# Allegro board 8880F5-0823_1_redwan.brd (continued)
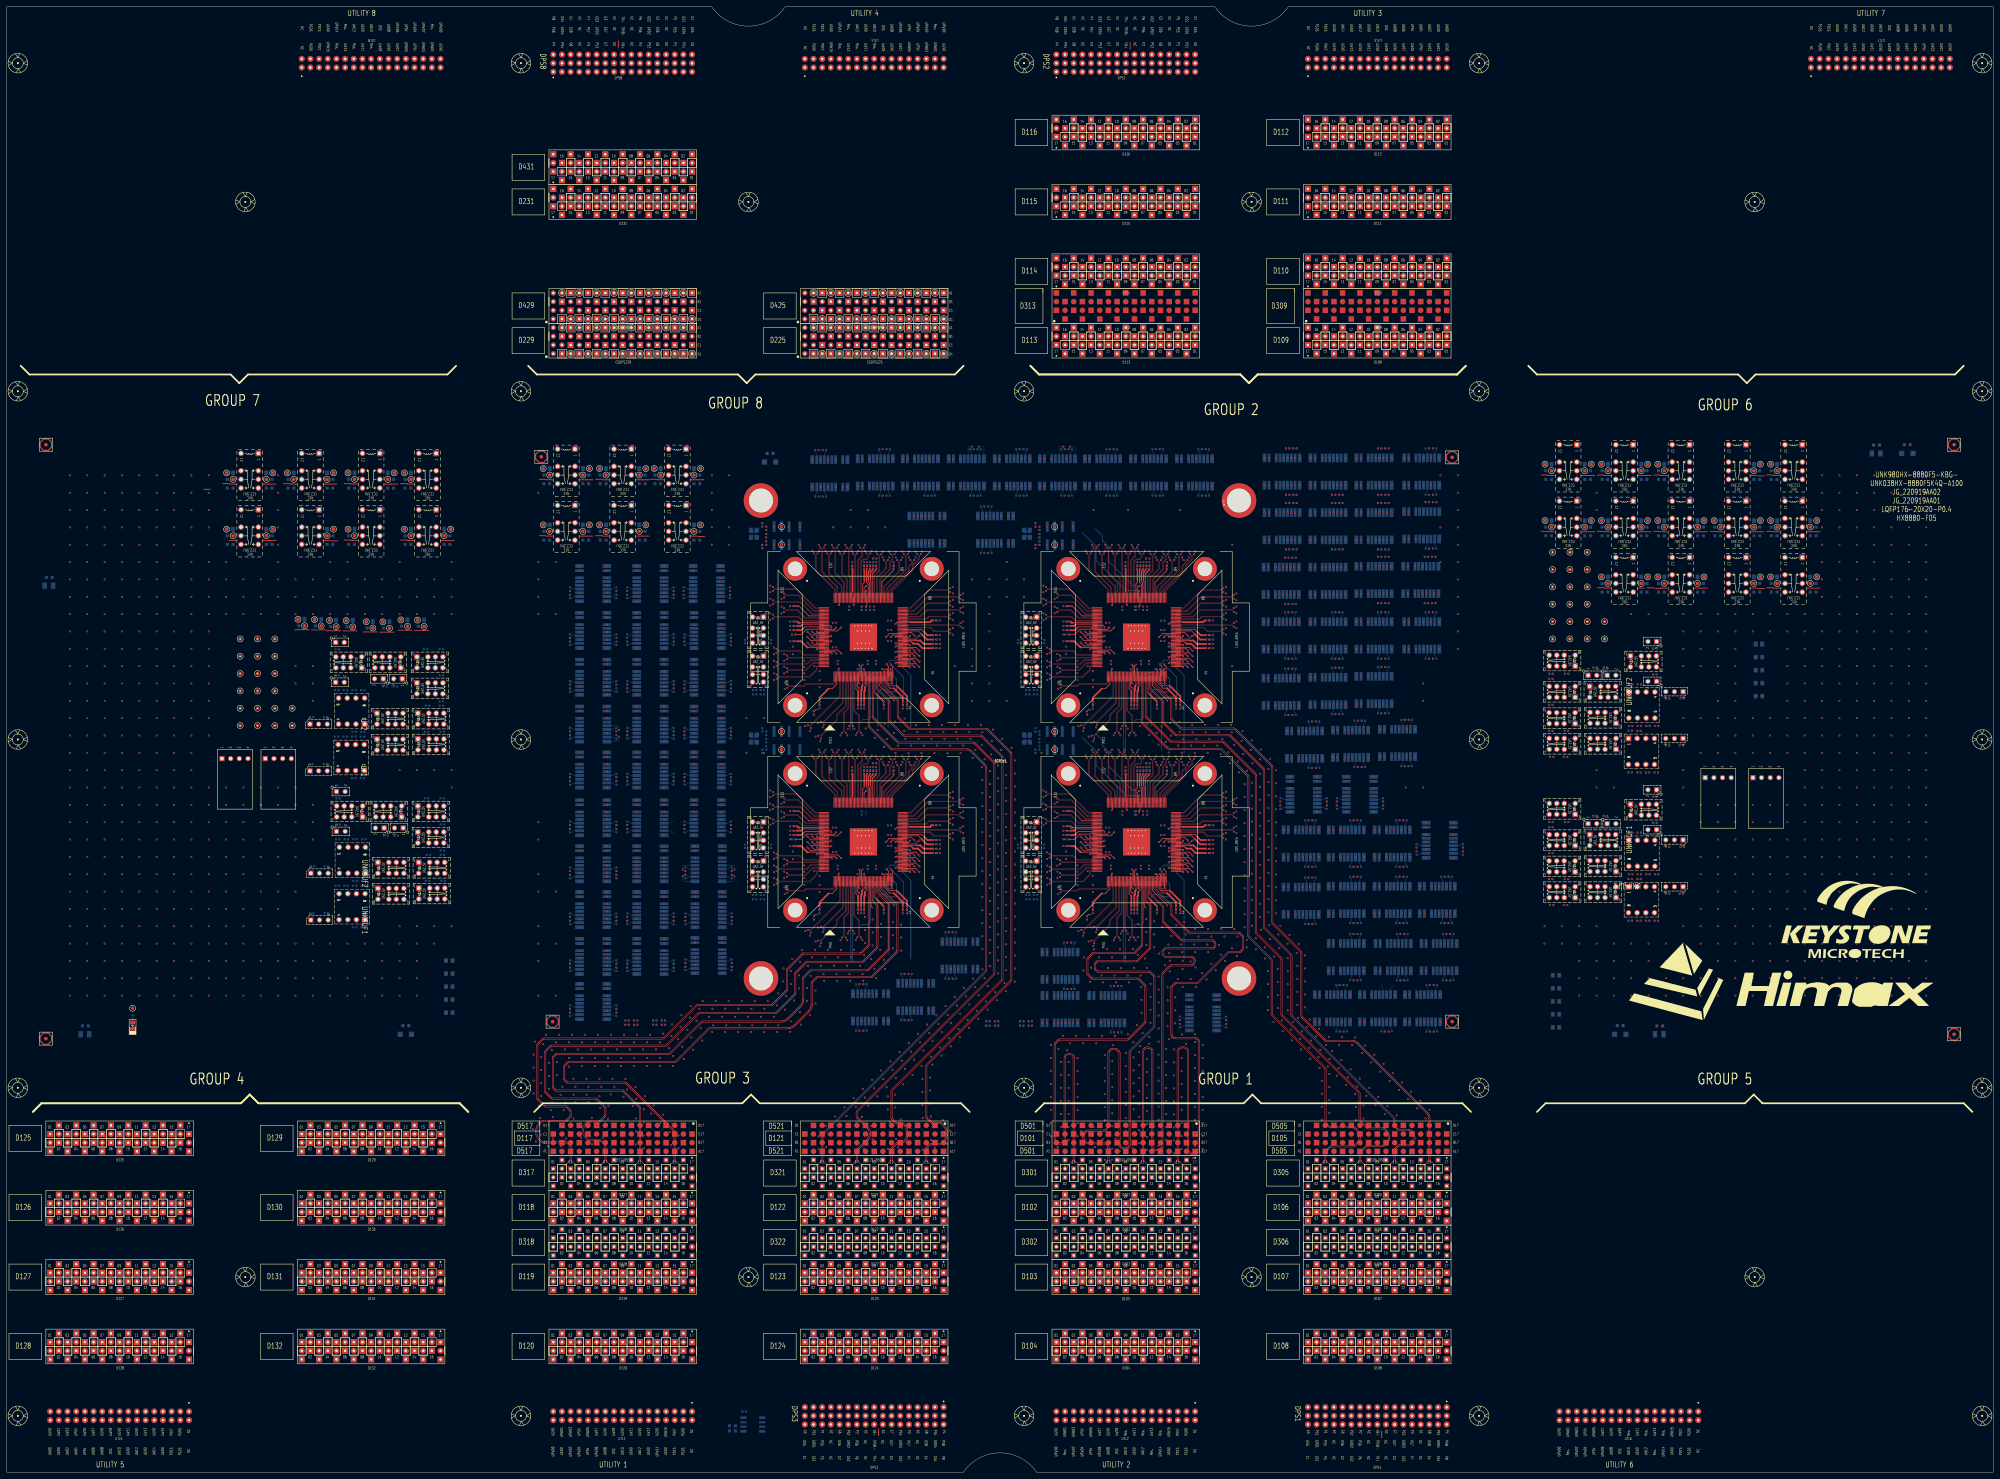
[diagram p0: board, top side]
## Placement (name value [footprint] x y rotation side) (continued)
NOREF#1338  -  []  263.2 232.26 90 top
NOREF#1339  -  []  259.33 205.55 0 top
NOREF#1340  -  []  272.55 183.91 0 top
NOREF#1341  -  []  310.43 253.37 0 top
NOREF#1342  -  []  222.11 252.14 0 top
NOREF#1343  -  []  263.2 172.26 90 top
NOREF#1344  -  []  167.7 231.27 90 top
NOREF#1345  -  []  395.2 233.11 0 top
NOREF#1346  -  []  479.44 239.09 0 top
NOREF#1347  -  []  394.66 242.38 90 top
NOREF#1348  -  []  419.47 273.37 90 top
NOREF#1349  -  []  377.23 241.16 90 top
NOREF#1350  -  []  259.97 264.35 90 top
NOREF#1351  -  []  217.41 213.24 90 top
NOREF#1352  -  []  310.73 186.66 0 top
NOREF#1353  -  []  118.7 222.88 0 top
NOREF#1354  -  []  168.69 276.04 90 top
NOREF#1355  -  []  483.04 239.09 0 top
NOREF#1356  -  []  223.56 233.86 90 top
NOREF#1357  -  []  387.39 297.12 0 top
NOREF#1358  -  []  399.39 161.74 0 top
NOREF#1359  -  []  392.24 193.43 0 top
NOREF#1360  -  []  462.06 293.82 90 top
NOREF#1361  -  []  182.57 199.39 0 top
NOREF#1362  -  []  352.24 244.86 90 top
NOREF#1363  -  []  107.18 246.83 90 top
NOREF#1364  -  []  331.62 205.56 90 top
NOREF#1365  -  []  165.8 171.96 90 top
NOREF#1366  -  []  285.02 288.91 90 top
NOREF#1367  -  []  459.24 175.86 0 top
NOREF#1368  -  []  241.6 296.61 0 top
NOREF#1369  -  []  389.7 209.36 0 top
NOREF#1370  -  []  351.34 182.64 0 top
NOREF#1371  -  []  201.23 186.57 90 top
NOREF#1372  -  []  220.36 237.06 0 top
NOREF#1373  -  []  353.35 288.41 90 top
NOREF#1374  -  []  107.02 166.42 90 top
NOREF#1375  -  []  481.96 276.41 90 top
NOREF#1376  -  []  315.7 296.86 0 top
NOREF#1377  -  []  412.37 257.37 0 top
NOREF#1378  -  []  387.39 265.11 0 top
NOREF#1379  -  []  192.57 215.25 90 top
NOREF#1380  -  []  352.25 245.5 0 top
NOREF#1381  -  []  119.7 238.84 0 top
NOREF#1382  -  []  277.17 288.86 0 top
NOREF#1383  -  []  230.73 189.2 0 top
NOREF#1384  -  []  403.99 180.15 0 top
NOREF#1385  -  []  199.59 158.5 90 top
NOREF#1386  -  []  404.4 273.16 90 top
NOREF#1387  -  []  260.83 174.63 90 top
NOREF#1388  -  []  342.68 224.74 90 top
NOREF#1389  -  []  329.6 223.52 90 top
NOREF#1390  -  []  404.15 225.11 0 top
NOREF#1391  -  []  369.38 241.11 0 top
NOREF#1392  -  []  343.98 288.86 0 top
NOREF#1393  -  []  449.99 217.9 0 top
NOREF#1394  -  []  209.33 201.79 90 top
NOREF#1395  -  []  399.99 181.42 90 top
NOREF#1396  -  []  368.28 281.11 0 top
NOREF#1397  -  []  237.66 164.72 0 top
NOREF#1398  -  []  259.45 288.86 90 top
NOREF#1399  -  []  209.23 205.19 90 top
NOREF#1400  -  []  453.88 230.2 0 top
NOREF#1401  -  []  315.16 290.13 90 top
NOREF#1402  -  []  423.71 181.22 90 top
NOREF#1403  -  []  398.65 257.37 0 top
NOREF#1404  -  []  165.8 185.42 0 top
NOREF#1405  -  []  395.2 297.12 0 top
NOREF#1406  -  []  175.7 230.17 90 top
NOREF#1407  -  []  511.59 291.28 90 top
NOREF#1408  -  []  398.65 281.11 0 top
NOREF#1409  -  []  372.72 161.49 0 top
NOREF#1410  -  []  251.05 264.65 90 top
NOREF#1411  -  []  192.57 147.18 90 top
NOREF#1412  -  []  419.22 257.37 90 top
NOREF#1413  -  []  369.63 273.11 0 top
NOREF#1414  -  []  100.73 238.84 0 top
NOREF#1415  -  []  199.84 148.65 90 top
NOREF#1416  -  []  93.02 247.21 90 top
NOREF#1417  -  []  395.07 129.99 0 top
NOREF#1418  -  []  251.38 163.52 90 top
NOREF#1419  -  []  339.33 205.56 0 top
NOREF#1420  -  []  118.7 222.88 0 top
NOREF#1421  -  []  254.29 204.35 90 top
NOREF#1422  -  []  343.31 224.74 0 top
NOREF#1423  -  []  304.61 131.64 0 top
NOREF#1424  -  []  247.25 265.55 0 top
NOREF#1425  -  []  167.7 178.86 90 top
NOREF#1426  -  []  342.63 296.86 0 top
NOREF#1427  -  []  284.77 288.86 0 top
NOREF#1428  -  []  217.83 234.63 90 top
NOREF#1429  -  []  167.7 138.47 90 top
NOREF#1430  -  []  305.83 264.31 0 top
NOREF#1431  -  []  410.52 241.11 0 top
NOREF#1432  -  []  253.4 205.56 0 top
NOREF#1433  -  []  352.24 189.18 90 top
NOREF#1434  -  []  167.7 186.57 90 top
NOREF#1435  -  []  397.57 131.89 0 top
NOREF#1436  -  []  318.3 223.52 90 top
NOREF#1437  -  []  310.43 253.37 90 top
NOREF#1438  -  []  208.98 264.1 90 top
NOREF#1439  -  []  385.19 273.11 0 top
NOREF#1440  -  []  271.34 189.5 0 top
NOREF#1441  -  []  167.7 214 90 top
NOREF#1442  -  []  192.47 162.1 90 top
NOREF#1443  -  []  237.66 164.74 0 top
NOREF#1444  -  []  326.23 173.13 0 top
NOREF#1445  -  []  459.28 227 0 top
NOREF#1446  -  []  396.55 273.11 0 top
NOREF#1447  -  []  219.81 213.69 90 top
NOREF#1448  -  []  322.23 233.13 90 top
NOREF#1449  -  []  175.8 228.97 90 top
NOREF#1450  -  []  460.89 174.46 90 top
NOREF#1451  -  []  330.17 223.82 90 top
NOREF#1452  -  []  470.71 183.57 90 top
NOREF#1453  -  []  201.66 227.17 90 top
NOREF#1454  -  []  301.34 286.96 0 top
NOREF#1455  -  []  201.91 159.1 90 top
NOREF#1456  -  []  352.55 249.5 0 top
NOREF#1457  -  []  310.43 194.01 0 top
NOREF#1458  -  []  240.94 211.63 90 top
NOREF#1459  -  []  468.01 214.96 0 top
NOREF#1460  -  []  262.36 163.82 90 top
NOREF#1461  -  []  303.56 173.86 90 top
NOREF#1462  -  []  295.19 271.65 90 top
NOREF#1463  -  []  369.38 224.6 0 top
NOREF#1464  -  []  112.67 171.02 0 top
NOREF#1465  -  []  392.47 240.66 90 top
NOREF#1466  -  []  352.24 249.18 90 top
NOREF#1467  -  []  555.66 300.54 90 top
NOREF#1468  -  []  327.89 264.35 90 top
NOREF#1469  -  []  310.43 186.34 0 top
NOREF#1470  -  []  300.01 288.31 90 top
NOREF#1471  -  []  386.33 207.21 90 top
NOREF#1472  -  []  483.04 195.66 0 top
NOREF#1473  -  []  177.33 160.4 90 top
NOREF#1474  -  []  369.38 257.11 0 top
NOREF#1475  -  []  167.7 145.93 0 top
NOREF#1476  -  []  390.69 273.11 0 top
NOREF#1477  -  []  414.82 281.37 0 top
NOREF#1478  -  []  254.29 265.55 0 top
NOREF#1479  -  []  302.11 142.44 0 top
NOREF#1480  -  []  284.79 272.65 90 top
NOREF#1481  -  []  297.71 216.09 0 top
NOREF#1482  -  []  192.47 191.22 90 top
NOREF#1483  -  []  271.04 184.23 0 top
NOREF#1484  -  []  175.7 264.1 90 top
NOREF#1485  -  []  392.47 224.4 90 top
NOREF#1486  -  []  328.42 129.74 90 top
NOREF#1487  -  []  331.86 192.43 90 top
NOREF#1488  -  []  343.83 231.63 90 top
NOREF#1489  -  []  262.68 223.52 90 top
NOREF#1490  -  []  175.7 216.45 90 top
NOREF#1491  -  []  379.01 272.66 90 top
NOREF#1492  -  []  415.6 146.88 0 top
NOREF#1493  -  []  166.06 189.04 90 top
NOREF#1494  -  []  237.98 223.82 90 top
NOREF#1495  -  []  384.59 162.84 90 top
NOREF#1496  -  []  235.85 288.61 90 top
NOREF#1497  -  []  194.09 160.4 90 top
NOREF#1498  -  []  378.33 257.11 90 top
NOREF#1499  -  []  250.73 264.35 90 top
NOREF#1500  -  []  182.82 175.58 90 top
NOREF#1501  -  []  235.85 296.61 0 top
NOREF#1502  -  []  330.51 288.86 0 top
NOREF#1503  -  []  192.47 250.38 90 top
NOREF#1504  -  []  330.73 204.35 90 top
NOREF#1505  -  []  167.7 206.29 90 top
NOREF#1506  -  []  453.88 239.34 0 top
NOREF#1507  -  []  239.33 176.03 90 top
NOREF#1508  -  []  317.66 164.72 0 top
NOREF#1509  -  []  272.25 244.23 0 top
NOREF#1510  -  []  217.71 276.09 0 top
NOREF#1511  -  []  351.34 245.18 0 top
NOREF#1512  -  []  117.33 247.35 90 top
NOREF#1513  -  []  283.21 270.2 90 top
NOREF#1514  -  []  272.55 243.91 0 top
NOREF#1515  -  []  250.18 242.88 0 top
NOREF#1516  -  []  200.98 260.9 90 top
NOREF#1517  -  []  343.63 225.04 90 top
NOREF#1518  -  []  101.82 273.87 90 top
NOREF#1519  -  []  404.4 225.16 90 top
NOREF#1520  -  []  118.96 174.04 90 top
NOREF#1521  -  []  383.09 241.11 0 top
NOREF#1522  -  []  388.43 163.64 0 top
NOREF#1523  -  []  450.03 234.74 0 top
NOREF#1524  -  []  302.71 145.61 90 top
NOREF#1525  -  []  296.96 180.71 0 top
NOREF#1526  -  []  175.7 236.67 90 top
NOREF#1527  -  []  297.41 213.24 0 top
NOREF#1528  -  []  182.82 162.12 90 top
NOREF#1529  -  []  448.94 273.87 90 top
NOREF#1530  -  []  471.59 130.36 90 top
NOREF#1531  -  []  352.25 189.82 0 top
NOREF#1532  -  []  467.51 186.77 0 top
NOREF#1533  -  []  318.3 163.52 90 top
NOREF#1534  -  []  254.61 205.86 90 top
NOREF#1535  -  []  471.21 211.76 0 top
NOREF#1536  -  []  410.27 257.37 0 top
NOREF#1537  -  []  422.7 163.64 0 top
NOREF#1538  -  []  201.23 187.92 90 top
NOREF#1539  -  []  199.59 243.9 90 top
NOREF#1540  -  []  184.47 176.66 90 top
NOREF#1541  -  []  252.51 264.35 90 top
NOREF#1542  -  []  177.33 214.75 90 top
NOREF#1543  -  []  381.2 226.12 90 top
NOREF#1544  -  []  339.65 205.86 90 top
NOREF#1545  -  []  410.52 273.37 0 top
NOREF#1546  -  []  331.62 265.56 0 top
NOREF#1547  -  []  247.57 204.65 90 top
NOREF#1548  -  []  229.05 211.67 0 top
NOREF#1549  -  []  301.56 179.06 0 top
NOREF#1550  -  []  106.76 215.26 0 top
NOREF#1551  -  []  339.65 204.65 90 top
NOREF#1552  -  []  459.28 192.71 90 top
NOREF#1553  -  []  337.9 246.35 90 top
NOREF#1554  -  []  371.73 289.12 0 top
NOREF#1555  -  []  209.59 174.36 90 top
NOREF#1556  -  []  495.08 277.31 90 top
NOREF#1557  -  []  306.85 211.67 0 top
NOREF#1558  -  []  392.47 256.56 90 top
NOREF#1559  -  []  223.15 271.32 90 top
NOREF#1560  -  []  331.54 252.73 90 top
NOREF#1561  -  []  394.46 129.99 90 top
NOREF#1562  -  []  122.15 195.15 0 top
NOREF#1563  -  []  209.23 218.65 90 top
NOREF#1564  -  []  406.94 131.34 90 top
NOREF#1565  -  []  401.87 194.18 90 top
NOREF#1566  -  []  333.4 265.56 90 top
NOREF#1567  -  []  215.96 248.49 0 top
NOREF#1568  -  []  327.25 265.56 90 top
NOREF#1569  -  []  182.57 144.78 0 top
NOREF#1570  -  []  384.59 179.6 90 top
NOREF#1571  -  []  279.27 296.86 0 top
NOREF#1572  -  []  106.76 217.73 90 top
NOREF#1573  -  []  295.96 237.06 0 top
NOREF#1574  -  []  263.71 288.86 0 top
NOREF#1575  -  []  242.23 173.13 0 top
NOREF#1576  -  []  408.63 274.64 90 top
NOREF#1577  -  []  418.63 131.94 90 top
NOREF#1578  -  []  209.49 162.1 90 top
NOREF#1579  -  []  327.25 265.56 0 top
NOREF#1580  -  []  383.09 289.12 0 top
NOREF#1581  -  []  309.21 248.88 0 top
NOREF#1582  -  []  320.83 194.63 0 top
NOREF#1583  -  []  108.01 214.71 0 top
NOREF#1584  -  []  351.34 242.64 0 top
NOREF#1585  -  []  385.19 265.11 0 top
NOREF#1586  -  []  459.24 219.3 90 top
NOREF#1587  -  []  216.96 192.14 0 top
NOREF#1588  -  []  518.38 273.87 90 top
NOREF#1589  -  []  230.43 186.34 90 top
NOREF#1590  -  []  331.05 205.86 90 top
NOREF#1591  -  []  501.87 273.87 90 top
NOREF#1592  -  []  301.56 182.89 0 top
NOREF#1593  -  []  409.49 163.64 0 top
NOREF#1594  -  []  354.27 138.37 90 top
NOREF#1595  -  []  238.3 223.52 90 top
NOREF#1596  -  []  272.55 185.18 0 top
NOREF#1597  -  []  247.57 264.65 90 top
NOREF#1598  -  []  221.56 239.06 0 top
NOREF#1599  -  []  201.23 219.75 90 top
NOREF#1600  -  []  450.03 182.17 0 top
NOREF#1601  -  []  463.11 186.77 0 top
NOREF#1602  -  []  412.88 139.89 0 top
NOREF#1603  -  []  392.21 131.94 90 top
NOREF#1604  -  []  332.51 204.35 90 top
NOREF#1605  -  []  330.74 224.74 0 top
NOREF#1606  -  []  369.38 224.6 0 top
NOREF#1607  -  []  456.04 179.06 0 top
NOREF#1608  -  []  251.38 164.74 90 top
NOREF#1609  -  []  230.41 246.34 90 top
NOREF#1610  -  []  306.71 144.34 0 top
NOREF#1611  -  []  418.12 241.11 0 top
NOREF#1612  -  []  259.33 265.55 0 top
NOREF#1613  -  []  242.23 233.13 90 top
NOREF#1614  -  []  127.99 214.79 0 top
NOREF#1615  -  []  417.7 146.88 0 top
NOREF#1616  -  []  470.79 128.27 0 top
NOREF#1617  -  []  329.28 223.82 90 top
NOREF#1618  -  []  249.13 140.14 0 top
NOREF#1619  -  []  385.19 241.11 0 top
NOREF#1620  -  []  257.9 246.35 90 top
NOREF#1621  -  []  201.21 273.5 90 top
NOREF#1622  -  []  314.71 142.44 90 top
NOREF#1623  -  []  167.7 187.92 90 top
NOREF#1624  -  []  120.24 171.1 0 top
NOREF#1625  -  []  122.44 171.1 0 top
NOREF#1626  -  []  387.08 188.15 0 top
NOREF#1627  -  []  482.64 192.46 90 top
NOREF#1628  -  []  375.22 163.39 0 top
NOREF#1629  -  []  327.57 264.65 90 top
NOREF#1630  -  []  381.74 265.11 0 top
NOREF#1631  -  []  273.5 148.65 90 top
NOREF#1632  -  []  396.55 241.11 0 top
NOREF#1633  -  []  328.96 164.72 0 top
NOREF#1634  -  []  260.99 135.19 90 top
NOREF#1635  -  []  371.48 257.11 0 top
NOREF#1636  -  []  330.74 164.74 0 top
NOREF#1637  -  []  293.31 272.1 0 top
NOREF#1638  -  []  413.2 164.91 90 top
NOREF#1639  -  []  330.73 265.56 90 top
NOREF#1640  -  []  334.29 204.35 90 top
NOREF#1641  -  []  385.36 194.18 90 top
NOREF#1642  -  []  328.62 290.13 90 top
NOREF#1643  -  []  271.04 185.5 0 top
NOREF#1644  -  []  261.63 255.43 90 top
NOREF#1645  -  []  246.23 233.13 0 top
NOREF#1646  -  []  167.7 219.75 90 top
NOREF#1647  -  []  167.7 186.57 0 top
NOREF#1648  -  []  201.49 146.18 90 top
NOREF#1649  -  []  88.64 247.45 90 top
NOREF#1650  -  []  461.96 166.93 0 top
NOREF#1651  -  []  192.47 150.58 90 top
NOREF#1652  -  []  399.64 144.98 0 top
NOREF#1653  -  []  339.33 265.56 0 top
NOREF#1654  -  []  406.65 287.22 90 top
NOREF#1655  -  []  192.47 259.8 90 top
NOREF#1656  -  []  331.94 205.86 90 top
NOREF#1657  -  []  546.67 300.44 90 top
NOREF#1658  -  []  310.83 224.63 0 top
NOREF#1659  -  []  352.24 189.18 90 top
NOREF#1660  -  []  316.97 139.64 0 top
NOREF#1661  -  []  405.93 256.92 90 top
NOREF#1662  -  []  210.86 201.29 90 top
NOREF#1663  -  []  168.13 240.88 90 top
NOREF#1664  -  []  392.47 240.56 90 top
NOREF#1665  -  []  248 286.96 0 top
NOREF#1666  -  []  124.61 178.64 0 top
NOREF#1667  -  []  252.43 132.14 0 top
NOREF#1668  -  []  272.24 243.59 90 top
NOREF#1669  -  []  271.34 242.64 0 top
NOREF#1670  -  []  182.57 199.39 90 top
NOREF#1671  -  []  175.7 205.19 90 top
NOREF#1672  -  []  485.36 259.9 90 top
NOREF#1673  -  []  425.7 144.98 90 top
NOREF#1674  -  []  331.62 264.35 90 top
NOREF#1675  -  []  184.47 178.86 90 top
NOREF#1676  -  []  120.21 178.64 0 top
NOREF#1677  -  []  263.95 224.74 90 top
NOREF#1678  -  []  234.33 228.13 90 top
NOREF#1679  -  []  317.98 163.82 90 top
NOREF#1680  -  []  310.43 186.34 90 top
NOREF#1681  -  []  351.34 249.5 0 top
NOREF#1682  -  []  118.7 195.7 0 top
NOREF#1683  -  []  304.61 144.34 0 top
NOREF#1684  -  []  277.5 155.38 0 top
NOREF#1685  -  []  165.8 212.85 0 top
NOREF#1686  -  []  391.8 217.36 0 top
NOREF#1687  -  []  367.48 225.87 90 top
NOREF#1688  -  []  379.48 239.21 90 top
NOREF#1689  -  []  167.7 165.4 90 top
NOREF#1690  -  []  226.44 294.64 90 top
NOREF#1691  -  []  330.49 223.52 90 top
NOREF#1692  -  []  201.23 201.89 90 top
NOREF#1693  -  []  375.22 180.15 0 top
NOREF#1694  -  []  395.67 133.16 90 top
NOREF#1695  -  []  411.26 163.09 90 top
NOREF#1696  -  []  406.65 255.47 90 top
NOREF#1697  -  []  412.62 289.12 0 top
NOREF#1698  -  []  112.41 195.15 0 top
NOREF#1699  -  []  194.09 146.68 90 top
NOREF#1700  -  []  332.83 264.65 90 top
NOREF#1701  -  []  342.68 163.52 90 top
NOREF#1702  -  []  247.25 265.56 0 top
NOREF#1703  -  []  393.74 131.44 90 top
NOREF#1704  -  []  184.47 260.9 90 top
NOREF#1705  -  []  184.47 178.86 90 top
NOREF#1706  -  []  118.45 226.62 90 top
NOREF#1707  -  []  473.6 162.62 90 top
NOREF#1708  -  []  246.63 142.04 0 top
NOREF#1709  -  []  253.4 204.35 90 top
NOREF#1710  -  []  310.43 253.37 90 top
NOREF#1711  -  []  379.01 288.67 90 top
NOREF#1712  -  []  392.04 289.12 90 top
NOREF#1713  -  []  384.17 180.15 90 top
NOREF#1714  -  []  410.52 273.37 0 top
NOREF#1715  -  []  327.25 205.55 0 top
NOREF#1716  -  []  221.56 250.49 0 top
NOREF#1717  -  []  237.66 224.74 0 top
NOREF#1718  -  []  230.41 247.61 90 top
NOREF#1719  -  []  326.43 288.41 90 top
NOREF#1720  -  []  248.33 247.93 0 top
NOREF#1721  -  []  401.89 180.15 0 top
NOREF#1722  -  []  329.28 165.04 90 top
NOREF#1723  -  []  264.54 143.19 0 top
NOREF#1724  -  []  331.62 205.56 0 top
NOREF#1725  -  []  473.79 239.64 0 top
NOREF#1726  -  []  384.59 179.7 90 top
NOREF#1727  -  []  468.85 259.9 90 top
NOREF#1728  -  []  230.73 249.2 0 top
NOREF#1729  -  []  210.6 255.9 90 top
NOREF#1730  -  []  473.6 206.05 90 top
NOREF#1731  -  []  405.93 272.56 90 top
NOREF#1732  -  []  251.94 264.65 90 top
NOREF#1733  -  []  271.56 288.91 90 top
NOREF#1734  -  []  118.7 188.08 0 top
NOREF#1735  -  []  269.94 135.19 0 top
NOREF#1736  -  []  379.73 271.21 90 top
NOREF#1737  -  []  247.89 204.35 90 top
NOREF#1738  -  []  250.5 288.86 0 top
NOREF#1739  -  []  259.65 265.86 90 top
NOREF#1740  -  []  230.43 187.61 0 top
NOREF#1741  -  []  272.24 183.59 90 top
NOREF#1742  -  []  318.3 164.74 90 top
NOREF#1743  -  []  406.19 171.64 0 top
NOREF#1744  -  []  450.03 191.31 0 top
NOREF#1745  -  []  411.52 146.43 90 top
NOREF#1746  -  []  448.94 276.41 90 top
NOREF#1747  -  []  332.83 265.86 90 top
NOREF#1748  -  []  246.23 173.13 0 top
NOREF#1749  -  []  184.47 200.54 90 top
NOREF#1750  -  []  271.34 183.91 0 top
NOREF#1751  -  []  175.7 243.88 90 top
NOREF#1752  -  []  387.39 232.85 0 top
NOREF#1753  -  []  263.95 223.52 90 top
NOREF#1754  -  []  468.68 129.54 0 top
NOREF#1755  -  []  393.74 131.34 90 top
NOREF#1756  -  []  247.25 265.56 90 top
NOREF#1757  -  []  388.66 139.89 0 top
NOREF#1758  -  []  381.74 297.12 0 top
NOREF#1759  -  []  329.28 225.04 90 top
NOREF#1760  -  []  229.21 188.88 0 top
NOREF#1761  -  []  405.93 240.56 90 top
NOREF#1762  -  []  201.91 145.63 90 top
NOREF#1763  -  []  230.43 189.52 0 top
NOREF#1764  -  []  259.33 205.55 0 top
NOREF#1765  -  []  201.23 247.18 90 top
NOREF#1766  -  []  223.56 173.86 90 top
NOREF#1767  -  []  374.34 210.38 90 top
NOREF#1768  -  []  168.13 227.17 90 top
NOREF#1769  -  []  184.47 214 0 top
NOREF#1770  -  []  237.2 296.61 0 top
NOREF#1771  -  []  460.93 191.31 90 top
NOREF#1772  -  []  167.7 173.11 90 top
NOREF#1773  -  []  96.33 238.84 0 top
NOREF#1774  -  []  230.43 253.37 90 top
NOREF#1775  -  []  425.23 180.72 90 top
NOREF#1776  -  []  184.47 215.35 90 top
NOREF#1777  -  []  201.23 206.29 90 top
NOREF#1778  -  []  251.62 205.55 0 top
NOREF#1779  -  []  392.04 241.11 90 top
NOREF#1780  -  []  342.68 164.74 90 top
NOREF#1781  -  []  229.21 253.37 0 top
NOREF#1782  -  []  420.62 239.21 90 top
NOREF#1783  -  []  94.68 234.24 0 top
NOREF#1784  -  []  303.15 211.32 90 top
NOREF#1785  -  []  408.02 271.47 0 top
NOREF#1786  -  []  201.49 173.11 90 top
NOREF#1787  -  []  331.38 224.74 90 top
NOREF#1788  -  []  201.66 199.99 90 top
NOREF#1789  -  []  399.67 131.89 0 top
NOREF#1790  -  []  346.27 132.97 90 top
NOREF#1791  -  []  252.83 204.65 90 top
NOREF#1792  -  []  199.59 158.5 0 top
NOREF#1793  -  []  250.73 265.55 0 top
NOREF#1794  -  []  394.05 223.21 0 top
NOREF#1795  -  []  310.43 246.34 0 top
NOREF#1796  -  []  249.6 163.52 90 top
NOREF#1797  -  []  413.75 171.64 0 top
NOREF#1798  -  []  389.7 209.36 0 top
NOREF#1799  -  []  377.32 163.39 0 top
NOREF#1800  -  []  200.98 260.9 90 top
NOREF#1801  -  []  423.2 146.88 0 top
NOREF#1802  -  []  371.73 281.11 0 top
NOREF#1803  -  []  329.16 296.86 0 top
NOREF#1804  -  []  127.55 219.13 90 top
NOREF#1805  -  []  387.08 171.64 0 top
NOREF#1806  -  []  271.04 189.82 0 top
NOREF#1807  -  []  310.43 247.61 90 top
NOREF#1808  -  []  485.36 257.36 90 top
NOREF#1809  -  []  250.73 204.35 90 top
NOREF#1810  -  []  284.36 272.1 90 top
NOREF#1811  -  []  261.42 135.74 90 top
NOREF#1812  -  []  167.7 260.9 90 top
NOREF#1813  -  []  371.48 232.6 0 top
NOREF#1814  -  []  230.43 247.61 90 top
NOREF#1815  -  []  411.26 179.6 90 top
NOREF#1816  -  []  199.33 212.85 0 top
NOREF#1817  -  []  238.3 164.74 90 top
NOREF#1818  -  []  199.59 145.03 90 top
NOREF#1819  -  []  272.25 181.69 0 top
NOREF#1820  -  []  222.11 192.14 0 top
NOREF#1821  -  []  201.23 200.54 0 top
NOREF#1822  -  []  459.28 168.33 0 top
NOREF#1823  -  []  334.29 205.56 0 top
NOREF#1824  -  []  208.98 259.8 90 top
NOREF#1825  -  []  390.59 195.9 90 top
NOREF#1826  -  []  398.65 209.36 90 top
NOREF#1827  -  []  229.21 193.37 0 top
NOREF#1828  -  []  229.21 246.34 0 top
NOREF#1829  -  []  379.48 255.21 90 top
NOREF#1830  -  []  371.48 241.11 0 top
NOREF#1831  -  []  317.05 288.86 0 top
NOREF#1832  -  []  274.37 147.93 90 top
NOREF#1833  -  []  463.11 230.2 0 top
NOREF#1834  -  []  408.88 133.16 90 top
NOREF#1835  -  []  107.02 171.57 0 top
NOREF#1836  -  []  93.76 271.33 90 top
NOREF#1837  -  []  184.47 214 90 top
NOREF#1838  -  []  385.19 281.11 0 top
NOREF#1839  -  []  118.45 231.77 0 top
NOREF#1840  -  []  229.21 243.09 0 top
NOREF#1841  -  []  330.18 242.88 0 top
NOREF#1842  -  []  310.73 249.2 0 top
NOREF#1843  -  []  417.87 257.37 0 top
NOREF#1844  -  []  182.57 171.96 0 top
NOREF#1845  -  []  478.57 259.9 90 top
NOREF#1846  -  []  229.51 183.41 0 top
NOREF#1847  -  []  367.48 258.38 90 top
NOREF#1848  -  []  175.7 257.6 90 top
NOREF#1849  -  []  230.73 249.2 0 top
NOREF#1850  -  []  119.7 231.22 0 top
NOREF#1851  -  []  351.04 242.96 0 top
NOREF#1852  -  []  456.08 186.77 0 top
NOREF#1853  -  []  329.6 224.74 90 top
NOREF#1854  -  []  303.15 271.32 90 top
NOREF#1855  -  []  324.65 288.86 0 top
NOREF#1856  -  []  175.7 150.58 90 top
NOREF#1857  -  []  352.25 182.96 0 top
NOREF#1858  -  []  310.73 246.66 0 top
NOREF#1859  -  []  166.06 148.4 90 top
NOREF#1860  -  []  376.98 224.6 0 top
NOREF#1861  -  []  317.98 165.04 90 top
NOREF#1862  -  []  167.7 138.47 90 top
NOREF#1863  -  []  155.57 291.65 90 top
NOREF#1864  -  []  461.96 166.93 0 top
NOREF#1865  -  []  118.99 171.65 0 top
NOREF#1866  -  []  334.29 264.35 90 top
NOREF#1867  -  []  263.63 165.04 90 top
NOREF#1868  -  []  327.7 131.09 90 top
NOREF#1869  -  []  342.36 223.82 90 top
NOREF#1870  -  []  287.27 286.96 90 top
NOREF#1871  -  []  501.87 276.41 90 top
NOREF#1872  -  []  351.04 245.5 0 top
NOREF#1873  -  []  201.49 147.53 90 top
NOREF#1874  -  []  319.33 236.03 0 top
NOREF#1875  -  []  108.27 171.02 0 top
NOREF#1876  -  []  320.42 131.64 0 top
NOREF#1877  -  []  313.98 143.79 90 top
NOREF#1878  -  []  209.23 202.99 90 top
NOREF#1879  -  []  272.24 189.18 90 top
NOREF#1880  -  []  388.43 180.15 0 top
NOREF#1881  -  []  375.73 193.43 0 top
NOREF#1882  -  []  343.31 224.72 0 top
NOREF#1883  -  []  463.61 222.58 0 top
NOREF#1884  -  []  124.64 171.1 0 top
NOREF#1885  -  []  451.64 222.5 0 top
NOREF#1886  -  []  332.51 265.56 0 top
NOREF#1887  -  []  393.19 287.22 90 top
NOREF#1888  -  []  333.4 205.56 90 top
NOREF#1889  -  []  309.21 243.09 0 top
NOREF#1890  -  []  118.45 234.24 90 top
NOREF#1891  -  []  241.82 167.13 90 top
NOREF#1892  -  []  518.38 292.92 90 top
NOREF#1893  -  []  194.09 214.75 90 top
NOREF#1894  -  []  375.73 199.18 90 top
NOREF#1895  -  []  252.83 264.65 90 top
NOREF#1896  -  []  184.47 151.68 90 top
NOREF#1897  -  []  262.68 224.74 90 top
NOREF#1898  -  []  378.75 224.05 90 top
NOREF#1899  -  []  167.7 247.18 90 top
NOREF#1900  -  []  93.76 290.38 90 top
NOREF#1901  -  []  462.06 274.77 90 top
NOREF#1902  -  []  265.64 135.19 0 top
NOREF#1903  -  []  272.24 181.05 90 top
NOREF#1904  -  []  265.81 288.86 0 top
NOREF#1905  -  []  167.7 159.65 90 top
NOREF#1906  -  []  390.53 180.15 0 top
NOREF#1907  -  []  413.1 144.98 0 top
NOREF#1908  -  []  420.62 287.22 90 top
NOREF#1909  -  []  167.7 247.18 90 top
NOREF#1910  -  []  111.54 287.84 90 top
NOREF#1911  -  []  471.21 168.33 0 top
NOREF#1912  -  []  253.72 205.86 90 top
NOREF#1913  -  []  262.36 223.82 90 top
NOREF#1914  -  []  166.06 257.62 90 top
NOREF#1915  -  []  342.04 224.72 0 top
NOREF#1916  -  []  254.8 296.86 0 top
NOREF#1917  -  []  201.49 159.65 0 top
NOREF#1918  -  []  387.39 249.11 0 top
NOREF#1919  -  []  495.08 274.77 90 top
NOREF#1920  -  []  166.06 216.47 90 top
NOREF#1921  -  []  339.33 205.56 90 top
NOREF#1922  -  []  249.85 224.74 0 top
NOREF#1923  -  []  230.43 183.09 90 top
NOREF#1924  -  []  209.49 150.83 90 top
NOREF#1925  -  []  192.47 195.52 90 top
NOREF#1926  -  []  405.93 288.57 90 top
NOREF#1927  -  []  284.36 280.1 0 top
NOREF#1928  -  []  184.47 244.98 90 top
NOREF#1929  -  []  199.08 254 0 top
NOREF#1930  -  []  165.8 240.28 90 top
NOREF#1931  -  []  251.54 192.73 90 top
NOREF#1932  -  []  263.31 164.72 0 top
NOREF#1933  -  []  331.38 163.52 90 top
NOREF#1934  -  []  110.21 214.71 0 top
NOREF#1935  -  []  248.96 224.74 0 top
NOREF#1936  -  []  342.68 223.52 90 top
NOREF#1937  -  []  247.78 132.14 90 top
NOREF#1938  -  []  128.24 171.1 0 top
NOREF#1939  -  []  410.78 131.89 0 top
NOREF#1940  -  []  184.47 149.48 90 top
NOREF#1941  -  []  331.38 164.74 90 top
NOREF#1942  -  []  252.83 205.86 90 top
NOREF#1943  -  []  465.31 186.77 0 top
NOREF#1944  -  []  264.29 280.1 0 top
NOREF#1945  -  []  210.86 228.47 90 top
NOREF#1946  -  []  229.51 253.69 0 top
NOREF#1947  -  []  251.62 204.35 90 top
NOREF#1948  -  []  265.81 296.86 0 top
NOREF#1949  -  []  511.59 293.82 90 top
NOREF#1950  -  []  352.55 183.91 0 top
NOREF#1951  -  []  409.17 297.12 0 top
NOREF#1952  -  []  236.27 289.16 90 top
NOREF#1953  -  []  115.61 211.51 90 top
NOREF#1954  -  []  251.05 205.86 90 top
NOREF#1955  -  []  230.43 183.09 0 top
NOREF#1956  -  []  329.85 224.72 0 top
NOREF#1957  -  []  388.35 217.36 0 top
NOREF#1958  -  []  468.01 179.15 0 top
NOREF#1959  -  []  165.8 199.39 0 top
NOREF#1960  -  []  194.09 228.47 90 top
NOREF#1961  -  []  201.49 163.2 90 top
NOREF#1962  -  []  230.83 224.63 0 top
NOREF#1963  -  []  272.55 245.18 0 top
NOREF#1964  -  []  201.23 192.32 90 top
NOREF#1965  -  []  317.05 288.86 0 top
NOREF#1966  -  []  352.25 242.32 90 top
NOREF#1967  -  []  188.08 289.11 90 top
NOREF#1968  -  []  410.52 289.12 0 top
NOREF#1969  -  []  119.95 222.33 0 top
NOREF#1970  -  []  315.82 129.74 0 top
NOREF#1971  -  []  184.47 174.46 90 top
NOREF#1972  -  []  230.41 188.88 90 top
